# Allegro board 6089-103-RevA_73.brd (continued)
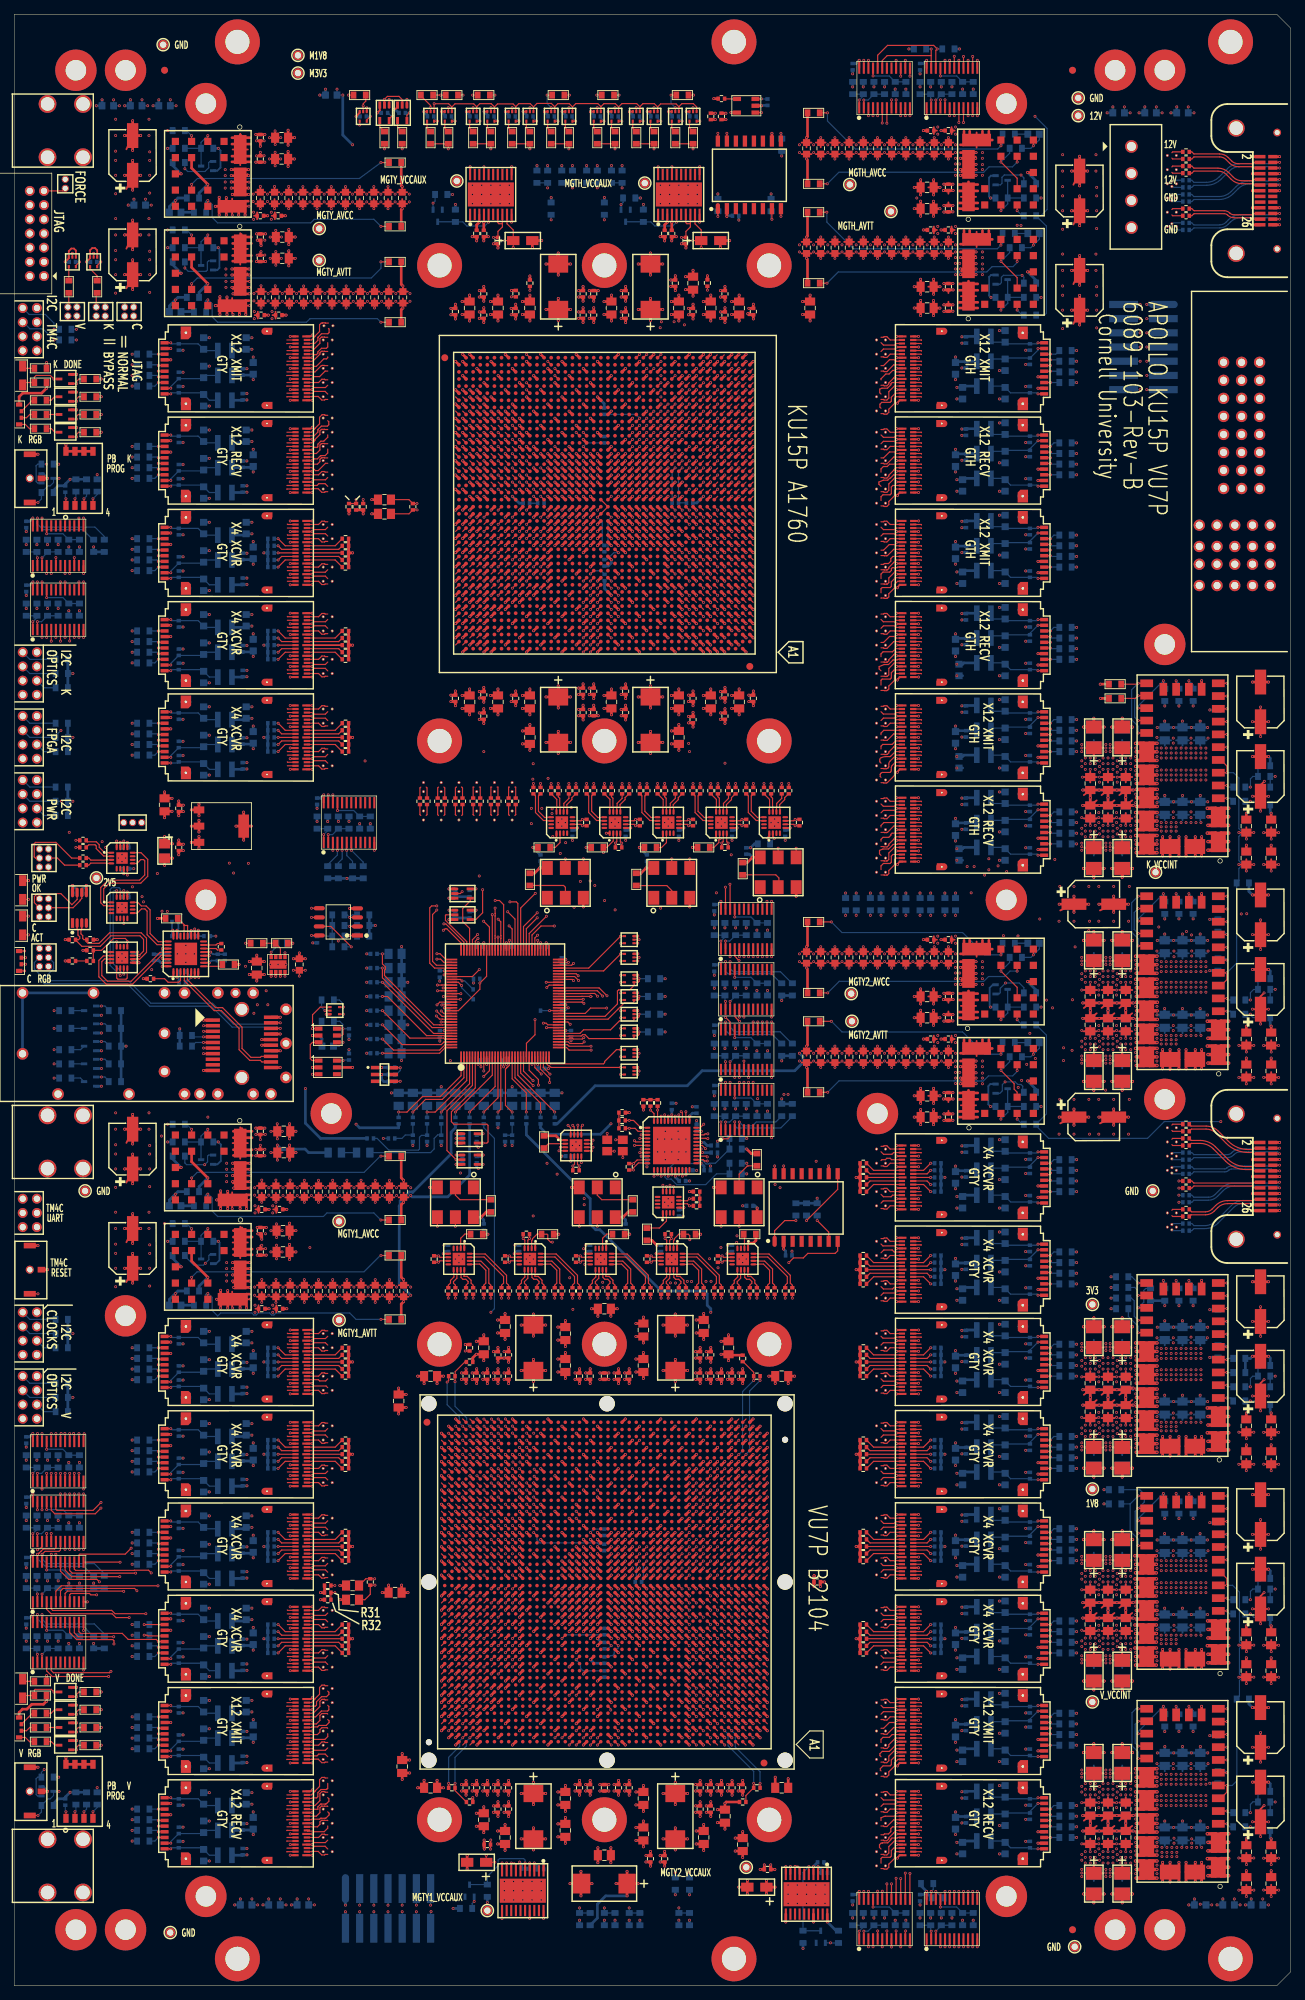
[diagram p0: board, top side]
## Routing (per net, layer and track width the routed paths; a pad name or vN(x,y) marks a point on that pad's centre or on a via; arc(x,y) is an arc through that point) (continued)
  TOP w0.381: 157.66,32.86 v1(157.65,32.86) C423.2 ; R171.1 R172.1 R173.1 ; U65.AB14 v1(91.17,209.87) ; U66.AA1 v1(106.17,53.95) ; U16.15 v1(23.54,241.3) ; v1(102.7,86.93) C290.2 v1(102.06,86.35) ; v1(33.02,255.9) 31.9,255.9 ; 31.9,255.9 v1(30.6,255.9) ; 31.9,255.9 31.9,255.05 ; C398.2 v1(152.92,122.4) ; C398.2 v1(157.08,122.4) ; C398.2 v1(155,121.27) ; C398.2 v1(155,123.53) ; P3.2 v1(174.58,118.83) ; 134.5,255.1 v1(133.4,255.1) ; 134.5,255.1 v1(135.6,255.1) ; 134.5,255.1 134.5,255.9 ; L2.1 v1(45.91,54.4) ; U66.C5 v1(102.16,35.94) ; U66.AB46 v1(60.23,54.94) ; U65.W19 v1(86.17,205.93) ; v1(86.06,27.45) C213.2 v1(86.7,26.87) ; U65.AJ1 v1(104.17,216.87) ; v1(35.34,116.95) C23.2 v1(34.06,116.95) ; v1(54.2,84.22) C84.2 v1(55.25,83.31) ; U65.AG33 v1(71.23,214.87) ; U65.G2 v1(103.17,193.93) ; U65.K35 v1(69.23,196.93) ; R188.1 R187.1 R186.1 ; R188.1 R189.1 R190.1 ; R188.1 v1(118.69,48.9) ; 32.1,101.05 v1(33.25,101.05) ; 32.1,101.05 32.1,101.9 ; 32.1,101.05 32.1,100.16 ; 32.1,101.05 v1(30.8,101.05) ; U66.AW11 v1(96.16,72.86) ; U65.AB16 v1(89.17,209.87) ; U66.AJ5 v1(102.16,62.88) ; R27.2 v1(31.7,143.9) ; U65.AD35 v1(69.23,211.87) ; U65.K30 v1(74.23,196.93) ; U65.Y18 v1(87.17,206.93) ; U66.AB14 v1(93.16,54.94) ; v1(97.56,86.35) C266.2 v1(98.2,86.93) ; U65.AG13 v1(92.17,214.87) ; U22.2 v1(22.07,204.7) ; v1(87.65,88.31) C219.2 v1(88.7,89.22) ; R183.1 R182.1 R181.1 ; R183.1 v1(118.69,61.9) ; R183.1 R184.1 R185.1 ; 153.66,157.44 v1(153.65,157.44) C394.2 ; U65.AH38 v1(66.23,215.87) ; U66.K36 v1(70.24,42.95) ; U66.BA3 v1(104.16,74.87) ; U66.AC25 v1(81.24,55.93) ; U65.AJ5 v1(100.17,216.87) ; v1(69.7,86.93) C143.2 v1(69.06,86.35) ; C411.2 v1(154.2,52.91) C412.2 ; C411.2 v1(152.94,53.99) C389.2 ; C411.2 v1(155.45,53.99) C431.2 ; U65.AB26 v1(78.23,209.87) ; U66.AB40 v1(66.23,54.94) ; U65.BA8 v1(97.17,228.87) ; R23.1 v1(12.27,36.4) ; U66.K40 v1(66.23,42.95) ; U65.AE25 v1(79.23,212.87) ; v1(96.06,86.35) C254.2 v1(96.7,86.93) ; 161.9,130.53 v1(161.9,131.9) ; 161.9,130.53 U123.27 ; 161.9,130.53 v1(161.9,129.2) ; U66.BE6 v1(101.17,78.85) ; U65.T35 v1(69.23,202.93) ; U66.BC4 v1(103.17,76.87) ; v1(38.81,107.45) C44.2 ; C44.2 v1(38.81,105.35) ; C44.2 v1(39.72,106.4) ; v1(95.06,180.95) C247.2 v1(95.7,180.37) ; U66.AD46 v1(60.23,57.87) ; v1(64.56,246.45) C111.2 v1(65.2,245.87) ; U65.V35 v1(69.23,204.93) ; U65.G5 v1(100.17,193.93) ; 164.2,160.53 v1(164.2,161.9) ; 164.2,160.53 U122.27 ; 164.2,160.53 v1(164.2,159.2) ; U65.F32 v1(72.23,192.93) ; SW4.5 SW4.7 7.29,216.21 v1(7.29,217.15) ; U65.AT11 v1(94.17,223.87) ; U125.27 v1(162.95,47.41) ; U125.27 161.9,46.02 ; U125.27 164.2,46.02 ; U125.27 v1(162.95,44.64) ; U65.G1 v1(104.17,193.93) ; U66.Y16 v1(91.16,52.93) ; U122.27 161.9,160.53 ; U122.27 v1(162.95,159.14) ; U122.27 v1(162.95,161.91) ; 161.9,160.53 v1(161.9,159.2) ; 161.9,160.53 v1(161.9,161.9) ; C395.2 v1(152.92,152.4) ; C395.2 v1(157.08,152.4) ; C395.2 v1(155,153.53) ; C395.2 v1(155,151.27) ; C427.2 v1(156.7,137.41) C428.2 ; C427.2 v1(157.75,138.49) ; C427.2 v1(155.45,138.49) C407.2 ; U66.A10 v1(97.15,33.93) ; U65.L1 v1(104.17,197.93) ; C422.2 v1(156.2,41.7) 156.2,41.67 ; C422.2 v1(154.75,42.94) 154.75,42.94 ; C422.2 v1(157.65,42.94) 157.68,42.94 ; v1(70.7,236.93) C146.2 v1(70.06,236.35) ; R65.1 v1(47.71,48.9) ; R65.1 R64.1 R63.1 ; R65.1 R66.1 R67.1 ; C6.2 v1(15.57,246.7) ; C6.2 v1(16.7,248.78) ; C6.2 v1(17.83,246.7) ; C6.2 v1(16.7,244.62) ; v1(81.06,181.95) C187.2 v1(81.7,181.37) ; U65.T14 v1(91.17,202.93) ; U65.AU35 v1(69.23,224.87) ; U66.AY24 v1(82.23,73.87) ; v1(23.84,166.35) C12.2 v1(23.2,166.93) ; U66.AA17 v1(90.17,53.95) ; U65.R9 v1(96.17,201.93) ; P2.14 v1(174.58,252.93) ; 134.5,144.3 134.5,142.64 ; 134.5,144.3 133.4,144.3 ; 134.5,144.3 v1(135.6,144.3) ; 134.5,142.64 134.5,141.9 ; 134.5,142.64 U120.2 134.53,143.12 134.15,143.5 v1(133.4,143.5) ; U65.N42 v1(62.23,199.93) ; U65.AM20 v1(85.17,219.87) ; U65.AE38 v1(66.23,212.87) ; U65.W15 v1(90.17,205.93) ; C413.2 v1(155.45,23.99) C433.2 ; C413.2 v1(154.2,22.91) C414.2 ; C413.2 v1(152.94,23.99) C391.2 ; U66.W11 v1(96.16,51.94) ; U65.U9 v1(96.17,203.93) ; R45.1 R46.1 R47.1 ; R45.1 R44.1 R43.1 ; R45.1 v1(47.71,175.9) ; v1(96.15,19.99) C259.2 v1(97.2,19.08) ; U65.P4 v1(101.17,200.93) ; U66.AK22 v1(85.16,63.87) ; 32,240.16 U16.2 v1(30.7,240.16) ; 32,240.16 32,241.05 ; 32,240.16 32,239.3 ; U66.AR1 v1(106.17,68.87) ; U65.BA27 v1(77.23,228.87) ; U66.T24 v1(82.23,48.94) ; U66.Y34 v1(72.25,52.93) ; C425.2 v1(156.7,167.41) C426.2 ; C425.2 v1(157.75,168.49) ; C425.2 v1(155.45,168.49) C405.2 ; U66.M46 v1(60.23,44.93) ; R158.2 111.84,143.29 ; U65.A22 v1(82.23,187.93) ; U66.B41 v1(65.23,34.95) ; U66.U17 v1(90.17,49.93) ; U65.E19 v1(86.17,191.93) ; U66.U19 v1(88.16,49.93) ; R192.2 v1(153.16,181.4) ; U65.R29 v1(75.23,201.93) ; v1(72.7,179.08) C153.2 v1(71.65,179.99) ; C356.2 v1(127.79,123.45) ; C356.2 v1(126.88,122.4) ; C356.2 v1(127.79,121.35) ; U65.AJ37 v1(67.23,216.87) ; U65.AF28 v1(76.23,213.87) ; U66.B12 v1(95.17,34.95) ; C414.2 v1(155.45,21.81) C434.2 ; C414.2 v1(152.96,21.81) C392.2 ; U65.AN18 v1(87.17,220.87) ; U66.AB20 v1(87.17,54.94) ; U65.AC33 v1(71.23,210.87) ; 79.9,14.4 C196.2 v1(81.45,14.4) ; 79.9,14.4 v1(78.35,14.4) ; 79.9,14.4 v1(79.9,12.67) ; 79.9,14.4 v1(79.9,16.13) ; 161.9,46.02 v1(161.9,47.4) ; 161.9,46.02 v1(161.9,44.7) ; U65.Y24 v1(80.23,206.93) ; 32,238.4 32,239.3 ; 32,238.4 v1(33.15,238.4) ; 32,238.4 v1(30.85,238.4) ; 32,239.3 v1(30.7,239.3) ; 32,239.3 v1(33.15,239.3) ; v1(56.88,27.9) C95.2 v1(57.79,28.95) ; U65.L9 v1(96.17,197.93) ; U66.AG33 v1(73.24,60.87) ; U66.AF35 v1(71.23,59.85) ; U65.C23 v1(81.23,189.93) ; U28.2 v1(22.07,51.7) ; C407.2 v1(152.94,138.49) C385.2 ; C407.2 v1(154.2,137.41) C408.2 ; U65.AA33 v1(71.23,207.93) ; U66.AV37 v1(69.25,71.87) ; 133.4,244.3 134.5,244.3 ; 134.5,244.3 134.5,242.64 ; 134.5,244.3 v1(135.6,244.3) ; v1(99.55,244.93) C261.2 v1(100.86,245.9) ; 153.68,92.86 v1(153.65,92.86) C399.2 ; U106.4 v1(144.33,200.7) ; 31.9,252.4 31.9,253.3 ; 31.9,252.4 v1(30.75,252.4) ; 31.9,252.4 v1(33.05,252.4) ; 31.9,253.3 v1(30.6,253.3) ; 31.9,253.3 v1(33.05,253.3) ; 31.9,253.3 31.9,254.16 ; v1(62.2,180.37) C100.2 v1(61.56,180.95) ; U66.AL43 v1(63.23,64.86) ; v1(91.7,16.87) C231.2 v1(91.06,17.45) ; U104.2 v1(144.33,225.1) ; C353.2 v1(127.79,138.35) ; C353.2 v1(127.79,140.45) ; C353.2 v1(126.88,139.4) ; 156.2,94.12 v1(156.2,94.1) C419.2 ; U66.U33 v1(73.24,49.93) ; U65.K31 v1(73.23,196.93) ; v1(66.2,91.72) C122.2 v1(65.15,90.81) ; U66.W29 v1(77.22,51.94) ; U65.P40 v1(64.23,200.93) ; U66.N44 v1(62.24,45.95) ; U66.AE5 v1(102.16,58.86) ; U66.G2 v1(105.15,39.93) ; U88.3 v1(98.58,112.5) ; U66.R1 v1(106.17,47.93) ; C224.2 v1(89.7,176.75) ; C224.2 v1(87.97,175.2) ; C224.2 v1(91.43,175.2) ; C224.2 v1(89.7,173.65) ; U65.AD18 v1(87.17,211.87) ; U111.2 v1(144.33,98.1) ; U66.P12 v1(95.17,46.94) ; U65.AU5 v1(100.17,224.87) ; v1(95.7,236.93) C246.2 v1(95.06,236.35) ; R106.2 v1(76.77,105.9) ; U65.A27 v1(77.23,187.93) ; U66.AA2 v1(105.15,53.95) ; U66.AF14 v1(93.16,59.85) ; U65.AY34 v1(70.23,227.87) ; U66.M4 v1(103.17,44.93) ; v1(135.6,241.1) 134.5,241.1 ; 134.5,241.1 v1(133.4,241.1) ; 134.5,241.1 134.5,241.9 ; v1(176.83,143.2) C462.2 v1(174.57,143.2) ; U65.AU40 v1(64.23,224.87) ; C397.2 v1(153.65,127.44) 153.67,127.44 ; C397.2 v1(150.75,127.44) 150.75,127.44 ; C397.2 v1(152.2,126.2) 152.2,126.16 ; v1(80.2,181.37) C179.2 v1(79.56,181.95) ; U66.E19 v1(88.16,37.94) ; U65.V29 v1(75.23,204.93) ; v1(79.7,26.87) C176.2 v1(79.06,27.45) ; R17.1 v1(12.27,218.9) ; C377.2 v1(130.67,133.4) ; U66.AJ42 v1(64.24,62.88) ; v1(72.7,174.08) C154.2 v1(71.65,174.99) ; U66.F39 v1(67.24,38.93) ; C429.2 v1(155.45,83.99) C409.2 ; C429.2 v1(156.7,82.92) C430.2 ; C429.2 157.22,83.99 157.44,84.22 v1(157.75,84.22) ; v1(133.4,127.1) 134.5,127.1 ; 134.5,127.1 134.5,127.9 ; 134.5,127.1 v1(135.6,127.1) ; SW1.1 v1(3.35,215.8) ; U65.AT22 v1(82.23,223.87) ; 153.67,42.94 v1(153.65,42.94) C402.2 ; U66.N10 v1(97.15,45.95) ; U65.AD26 v1(78.23,211.87) ; 156.2,147.31 v1(154.75,147.31) 154.71,147.31 ; 156.2,147.31 C417.2 v1(156.2,148.55) 156.2,148.56 ; 156.2,147.31 v1(157.65,147.31) ; U65.AR42 v1(62.23,222.87) ; U66.W44 v1(62.24,51.94) ; C355.2 v1(127.79,126.45) ; C355.2 v1(127.79,124.35) ; C355.2 v1(126.88,125.4) ; U65.U15 v1(90.17,203.93) ; v1(103.45,104.61) 103.49,104.64 104.19,104.64 104.56,105.02 R148.1 ; C45.2 v1(39.72,103.4) ; C45.2 v1(38.81,104.45) ; C45.2 v1(38.81,102.35) ; U66.Y5 v1(102.16,52.93) ; C406.2 v1(155.45,166.31) C426.2 ; C406.2 v1(152.96,166.31) C384.2 ; C406.2 v1(154.2,167.41) C405.2 ; U66.V18 v1(89.18,50.92) ; U66.AU33 v1(73.24,70.85) ; U66.Y45 v1(61.25,52.93) ; U65.AD7 v1(98.17,211.87) ; U66.H12 v1(95.17,40.94) ; U65.L17 v1(88.17,197.93) ; v1(34.06,256.95) C17.2 v1(35.34,256.95) ; v1(72.7,238.22) C152.2 v1(71.65,237.31) ; U66.AR7 v1(100.17,68.87) ; U66.N12 v1(95.17,45.95) ; U65.AT12 v1(93.17,223.87) ; U65.R5 v1(100.17,201.93) ; C385.2 v1(151.7,137.4) C386.2 ; C385.2 v1(150.65,138.49) ; U65.AN28 v1(76.23,220.87) ; U65.AE33 v1(71.23,212.87) ; C434.2 v1(156.7,22.91) C433.2 ; C434.2 v1(157.75,21.81) ; U113.4 v1(144.33,73.7) ; U114.4 v1(144.33,60.7) ; v1(91.06,246.45) C229.2 v1(91.7,245.87) ; v1(176.83,39.2) C467.2 v1(174.57,39.2) ; U65.AM3 v1(102.17,219.87) ; U65.AP4 v1(101.17,221.87) ; U65.V18 v1(87.17,204.93) ; U65.T28 v1(76.23,202.93) ; v1(99.7,26.87) C275.2 v1(99.06,27.45) ; v1(38.71,247.45) C42.2 ; C42.2 v1(38.71,245.35) ; C42.2 v1(39.62,246.4) ; U66.AL5 v1(102.16,64.86) ; v1(81.2,86.93) C183.2 v1(80.56,86.35) ; U13.10 v1(26.69,128.98) ; U99.20 v1(114.62,9) ; C157.2 v1(73.2,22.25) ; C157.2 v1(73.2,19.15) ; C157.2 v1(74.93,20.7) ; C157.2 v1(71.47,20.7) ; U65.P21 v1(84.17,200.93) ; U66.AT37 v1(69.25,69.86) ; U65.AD16 v1(89.17,211.87) ; U66.G1 v1(106.17,39.93) ; U66.U35 v1(71.23,49.93) ; U66.L35 v1(71.23,43.94) ; U65.AB18 v1(87.17,209.87) ; U65.AE17 v1(88.17,212.87) ; U65.AW2 v1(103.17,226.87) ; U65.U5 v1(100.17,203.93) ; U66.M42 v1(64.24,44.93) ; v1(93.7,179.08) C239.2 v1(92.65,179.99) ; U66.BD6 v1(101.17,77.86) ; v1(84.11,19.45) C195.2 v1(84.11,17.35) ; C402.2 v1(150.75,42.94) 150.73,42.94 ; C402.2 v1(152.2,41.7) 152.2,41.67 ; U66.AB4 v1(103.17,54.94) ; U65.N5 v1(100.17,199.93) ; v1(132.34,249.95) C368.2 131.68,249.93 v1(131.06,249.93) ; U66.B5 v1(102.16,34.95) ; U65.V11 v1(94.17,204.93) ; U99.11 v1(108.78,9) ; U66.AJ13 v1(94.16,62.88) ; U65.BA5 v1(100.17,228.87) ; R140.2 v1(95.63,160.4) ; U66.AA5 v1(102.16,53.95) ; U66.AH20 v1(87.17,61.86) ; U65.B4 v1(101.17,188.93) ; U66.E5 v1(102.16,37.94) ; C271.2 v1(98.62,265.9) ; U66.AH41 v1(65.23,61.86) ; v1(69.7,89.93) C142.2 v1(69.06,89.35) ; U65.A2 v1(103.17,187.93) ; 97.7,65.41 v1(98.17,65.87) ; U66.T5 v1(102.16,48.94) ; v1(99.56,181.45) C278.2 v1(100.2,180.87) ; U65.AE9 v1(96.17,212.87) ; U66.BC35 v1(71.23,76.87) ; 154.72,72.94 v1(154.75,72.94) C420.2 ; v1(133.4,129.5) 134.15,129.5 134.53,129.12 U121.2 134.5,128.64 ; C408.2 v1(152.96,136.31) C386.2 ; C408.2 v1(155.45,136.31) C428.2 ; U65.T20 v1(85.17,202.93) ; U65.AW31 v1(73.23,226.87) ; U65.AD22 v1(82.23,211.87) ; U65.AB24 v1(80.23,209.87) ; U65.AD39 v1(65.23,211.87) ; C426.2 v1(157.75,166.31) ; U66.AW43 v1(63.23,72.86) ; U66.AF12 v1(95.17,59.85) ; U65.AU41 v1(63.23,224.87) ; U17.15 v1(23.54,115.3) ; U111.4 v1(144.33,99.7) ; v1(85.56,178.95) C209.2 v1(86.2,178.37) ; U66.AJ6 v1(101.17,62.88) ; U66.G39 v1(67.24,39.93) ; U65.AD3 v1(102.17,211.87) ; U65.AH4 v1(101.17,215.87) ; U65.D26 v1(78.23,190.93) ; v1(100.2,236.43) C277.2 v1(99.56,235.85) ; v1(33.25,112.4) 32.1,112.4 ; 32.1,112.4 v1(30.95,112.4) ; 32.1,112.4 32.1,113.3 ; v1(85.2,86.93) C202.2 v1(84.56,86.35) ; C299.2 v1(102.15,13.9) ; C299.2 v1(103.35,12.93) ; C299.2 v1(103.35,14.87) ; U65.AM40 v1(64.23,219.87) ; 150.74,157.44 v1(150.75,157.44) C394.2 ; U66.AE43 v1(63.23,58.86) ; U65.AD11 v1(94.17,211.87) ; 38.81,120.4 C46.2 v1(39.72,120.4) ; 38.81,120.4 v1(38.81,119.35) ; 38.81,120.4 v1(38.81,121.45) ; 32,241.9 32,241.05 ; 32,241.9 v1(30.7,241.9) ; 32,241.9 v1(33.12,241.9) ; 32,241.05 v1(33.15,241.05) ; 32,241.05 v1(30.7,241.05) ; U66.AP32 v1(74.23,67.86) ; U66.J12 v1(95.17,41.93) ; v1(176.83,183.7) C459.2 v1(174.57,183.7) ; U65.AR1 v1(104.17,222.87) ; U66.AA23 v1(84.17,53.95) ; v1(92.65,235.49) C238.2 v1(93.7,234.58) ; U66.BB39 v1(67.24,75.86) ; U65.V3 v1(102.17,204.93) ; 164.2,16.02 v1(164.2,14.7) ; 164.2,16.02 U126.27 ; 164.2,16.02 v1(164.2,17.4) ; 133.4,130.3 134.5,130.3 ; 134.5,130.3 v1(135.6,130.3) ; 134.5,130.3 134.5,128.64 ; v1(35.34,260.85) C16.2 v1(34.06,260.85) ; U65.AF35 v1(69.23,213.87) ; 32.1,101.9 v1(33.22,101.9) ; 32.1,101.9 v1(30.8,101.9) ; U66.AY14 v1(93.16,73.87) ; U126.13 v1(167.4,39.38) ; v1(176.83,28.7) C468.2 v1(174.57,28.7) ; U65.L5 v1(100.17,197.93) ; 156.2,34.11 v1(156.2,34.1) C423.2 ; 164.2,46.02 v1(164.2,44.7) ; 164.2,46.02 v1(164.2,47.4) ; U65.A32 v1(72.23,187.93) ; U66.T9 v1(98.17,48.94) ; U65.L2 v1(103.17,197.93) ; U65.U37 v1(67.23,203.93) ; U66.K3 v1(104.16,42.95) ; C383.2 v1(152.94,168.49) C405.2 ; C383.2 v1(150.65,168.49) ; C383.2 v1(151.7,167.4) C384.2 ; C423.2 v1(154.75,32.86) 154.73,32.86 ; U65.K7 v1(98.17,196.93) ; C394.2 v1(152.2,156.2) 152.2,156.16 ; v1(97.15,179.99) C263.2 v1(98.2,179.08) ; v1(65.15,22.49) C123.2 v1(66.2,21.58) ; U66.AH46 v1(60.23,61.86) ; U65.AJ33 v1(71.23,216.87) ; 32.1,100.16 U18.2 v1(30.8,100.16) ; 32.1,100.16 32.1,99.3 ; U66.AD35 v1(71.23,57.87) ; U65.AK11 v1(94.17,217.87) ; U66.P5 v1(102.16,46.94) ; U19.4 v1(32.35,161.43) ; U19.4 v1(31.27,163.4) ; U19.4 v1(33.43,163.4) ; U19.4 v1(32.35,165.37) ; v1(82.56,27.45) C194.2 v1(83.83,27.45) ; U65.AV23 v1(81.23,225.87) ; U65.AC19 v1(86.17,210.87) ; U65.J41 v1(63.23,195.93) ; U65.AM30 v1(74.23,219.87) ; 161.9,76.03 v1(161.9,74.7) ; 161.9,76.03 U124.27 ; 161.9,76.03 v1(161.9,77.4) ; v1(89.06,17.45) C226.2 v1(89.7,16.87) ; U66.K46 v1(60.23,42.95) ; C477.2 v1(177.2,20.72) ; U66.AD28 v1(78.24,57.87) ; U66.M5 v1(102.16,44.93) ; U65.BA1 v1(104.17,228.87) ; U65.AG17 v1(88.17,214.87) ; U65.AF22 v1(82.23,213.87) ; U66.AL7 v1(100.17,64.86) ; U66.C25 v1(81.24,35.94) ; v1(35.53,102.95) C25.2 v1(34.27,102.95) ; C390.2 v1(151.7,52.9) C389.2 ; C390.2 v1(152.96,51.81) C412.2 ; C390.2 v1(150.65,51.81) ; U66.AU35 v1(71.23,70.85) ; U66.AK8 v1(99.16,63.87) ; U66.G44 v1(62.24,39.93) ; U66.AE27 v1(79.23,58.86) ; U65.AR9 v1(96.17,222.87) ; v1(83.83,86.35) C193.2 v1(82.56,86.35) ; U66.AF16 v1(91.16,59.85) ; U65.AT32 v1(72.23,223.87) ; U66.AC29 v1(77.22,55.93) ; U66.R10 v1(97.15,47.93) ; C415.2 v1(156.2,178.6) 156.2,178.62 ; C415.2 v1(154.75,177.36) 154.71,177.36 ; C415.2 v1(157.65,177.36) ; v1(62.2,236.93) C99.2 v1(61.56,236.35) ; U65.F3 v1(102.17,192.93) ; U66.AG39 v1(67.24,60.87) ; 134.5,241.9 v1(135.6,241.9) ; 134.5,241.9 134.5,242.64 ; 134.5,241.9 v1(133.4,241.9) ; v1(95.7,177.37) C248.2 v1(95.06,177.95) ; U66.AH26 v1(80.25,61.86) ; v1(66.06,27.45) C125.2 v1(66.7,26.87) ; 150.74,12.94 v1(150.75,12.94) C404.2 ; C399.2 v1(150.75,92.86) 150.73,92.86 ; C399.2 v1(152.2,94.1) 152.2,94.12 ; U66.BB3 v1(104.16,75.86) ; 134.5,141.9 v1(135.6,141.9) ; 134.5,141.9 134.5,141.1 ; 134.5,141.9 v1(133.4,141.9) ; U65.AD14 v1(91.17,211.87) ; U65.AE5 v1(100.17,212.87) ; U65.AA27 v1(77.23,207.93) ; U66.H42 v1(64.24,40.94) ; U65.AP35 v1(69.23,221.87) ; v1(35.44,246.85) C20.2 v1(34.16,246.85) ; C156.2 73.2,94.61 73.19,94.61 v1(73.19,94.65) ; C156.2 v1(74.93,93.1) ; C156.2 v1(73.2,91.55) ; C156.2 v1(71.47,93.1) ; U66.AJ38 v1(68.23,62.88) ; U65.AG29 v1(75.23,214.87) ; U66.AT46 v1(60.23,69.86) ; U66.P46 v1(60.23,46.94) ; 164.2,130.53 v1(164.2,129.2) ; 164.2,130.53 U123.27 ; 164.2,130.53 v1(164.2,131.9) ; U66.BD44 v1(62.24,77.86) ; U43.3 v1(58.58,112.5) ; U65.AL13 v1(92.17,218.87) ; C164.2 v1(78.43,175.2) ; C164.2 v1(74.97,175.2) ; C164.2 v1(76.7,176.75) ; C164.2 v1(76.7,173.65) ; C386.2 v1(150.65,136.31) ; U66.Y24 v1(82.23,52.93) ; U65.C6 v1(99.17,189.93) ; U65.J42 v1(62.23,195.93) ; U65.C41 v1(63.23,189.93) ; U66.AC35 v1(71.23,55.93) ; v1(65.2,86.93) C112.2 v1(64.56,86.35) ; U65.L42 v1(62.23,197.93) ; U65.V22 v1(82.23,204.93) ; R38.1 R39.1 R40.1 ; U66.BC25 v1(81.24,76.87) ; U66.AU23 v1(84.17,70.85) ; SW1.3 v1(4.7,212.4) ; U66.M18 v1(89.18,44.93) ; 157.66,72.94 v1(157.65,72.94) C420.2 ; U66.AJ2 v1(105.15,62.88) ; C250.2 v1(95.19,111.9) ; U65.AR19 v1(86.17,222.87) ; U124.27 164.2,76.03 ; U124.27 v1(162.95,77.41) ; U124.27 v1(162.95,74.64) ; 164.2,76.03 v1(164.2,74.7) ; 164.2,76.03 v1(164.2,77.4) ; v1(110.02,85.9) C306.2 v1(109.11,84.87) ; U66.AF22 v1(85.16,59.85) ; U65.AW6 v1(99.17,226.87) ; U65.AK7 v1(98.17,217.87) ; U65.D4 v1(101.17,190.93) ; U66.G7 v1(100.17,39.93) ; C419.2 v1(157.65,92.86) 157.66,92.86 ; C419.2 v1(154.75,92.86) 154.72,92.86 ; U65.AM13 v1(92.17,219.87) ; U65.H3 v1(102.17,194.93) ; U66.AW37 v1(69.25,72.86) ; U65.AU11 v1(94.17,224.87) ; U66.AG25 v1(81.24,60.87) ; U65.AU15 v1(90.17,224.87) ; C237.2 v1(91.47,20.7) ; C237.2 v1(93.2,22.25) ; C237.2 v1(93.2,19.15) ; C237.2 v1(94.93,20.7) ; C410.2 v1(154.2,82.91) C409.2 ; C410.2 v1(155.45,81.81) C430.2 ; C410.2 v1(152.96,81.81) C388.2 ; U65.R42 v1(62.23,201.93) ; v1(88.7,94.22) C218.2 v1(87.65,93.31) ; 32.1,113.3 32.1,114.16 ; 32.1,113.3 v1(30.8,113.3) ; 32.1,113.3 v1(33.25,113.3) ; 32.1,114.16 32.1,115.05 ; 32.1,114.16 U17.2 v1(30.8,114.16) ; U66.BB41 v1(65.23,75.86) ; U66.J10 v1(97.15,41.93) ; U65.V24 v1(80.23,204.93) ; U65.P3 v1(102.17,200.93) ; U65.AA19 v1(86.17,207.93) ; U66.AE6 v1(101.17,58.86) ; v1(102.7,26.87) C291.2 v1(102.06,27.45) ; U65.AC41 v1(63.23,210.87) ; U66.BF44 v1(62.24,79.87) ; U66.AU1 v1(106.17,70.85) ; U66.BB28 v1(78.24,75.86) ; v1(81.06,178.95) C188.2 v1(82.33,178.95) ; U66.E12 v1(95.17,37.94) ; U66.L11 v1(96.16,43.94) ; C236.2 93.2,94.61 93.19,94.61 v1(93.19,94.65) ; C236.2 v1(94.93,93.1) ; C236.2 v1(91.47,93.1) ; C236.2 v1(93.2,91.55) ; U66.AP12 v1(95.17,67.86) ; U12.9 v1(17.6,144.15) ; U66.AD32 v1(74.23,57.87) ; U66.AL11 v1(96.16,64.86) ; U66.V22 v1(85.16,50.92) ; U66.V30 v1(76.23,50.92) ; U65.U42 v1(62.23,203.93) ; U65.M4 v1(101.17,198.93) ; C403.2 v1(150.75,32.86) 150.72,32.86 ; C403.2 v1(153.65,32.86) 153.67,32.86 ; C403.2 v1(152.2,34.1) 152.2,34.12 ; v1(80.2,178.37) C180.2 v1(79.56,178.95) ; C43.2 v1(39.62,243.4) ; C43.2 v1(38.71,242.35) ; C43.2 v1(38.71,244.45) ; U66.AY9 v1(98.17,73.87) ; 150.74,177.36 v1(150.75,177.36) C393.2 ; R173.1 R174.1 R175.1 ; R173.1 v1(118.69,87.9) ; U65.AL5 v1(100.17,218.87) ; P2.20 v1(174.58,250.53) ; U66.BA38 v1(68.23,74.87) ; U65.W42 v1(62.23,205.93) ; U66.D4 v1(103.17,36.93) ; U66.BC41 v1(65.23,76.87) ; U66.T18 v1(89.18,48.94) ; SW5.5 SW5.7 7.29,31.21 v1(7.29,32.15) ; C381.2 v1(150.2,257.78) ; C381.2 v1(150.2,253.62) ; C381.2 v1(151.33,255.7) ; C381.2 v1(149.07,255.7) ; U65.L27 v1(77.23,197.93) ; U65.AW21 v1(84.17,226.87) ; v1(161.1,52.88) 161.09,52.88 U125.24 ; U65.AB35 v1(69.23,209.87) ; U66.U10 v1(97.15,49.93) ; U65.AA40 v1(64.23,207.93) ; C354.2 v1(127.79,137.45) ; C354.2 v1(127.79,135.35) ; C354.2 v1(126.88,136.4) ; U66.AN25 v1(81.24,66.86) ; U66.AE42 v1(64.24,58.86) ; U65.AW11 v1(94.17,226.87) ; U65.N1 v1(104.17,199.93) ; U65.P29 v1(75.23,200.93) ; U66.V4 v1(103.17,50.92) ; U66.AW12 v1(95.17,72.86) ; 175.64,109.22 v1(174.58,109.22) ; U66.AV40 v1(66.23,71.87) ; U126.27 161.9,16.02 ; U126.27 v1(162.95,14.64) ; U126.27 v1(162.95,17.41) ; U66.R29 v1(77.22,47.93) ; U65.A17 v1(88.17,187.93) ; U66.U27 v1(79.23,49.93) ; U66.AR12 v1(95.17,68.87) ; v1(176.83,99.2) C463.2 v1(174.57,99.2) ; U65.C9 v1(96.17,189.93) ; U73.3 v1(87.91,137.4) ; R22.1 v1(12.27,38.9) ; v1(68.15,93.81) C138.2 v1(69.2,94.72) ; U65.M29 v1(75.23,198.93) ; U66.BD32 v1(74.23,77.86) ; U65.K4 v1(101.17,196.93) ; C428.2 v1(157.75,136.31) ; U66.J37 v1(69.25,41.93) ; U66.T14 v1(93.16,48.94) ; U66.B45 v1(61.25,34.95) ; U65.A41 v1(63.23,187.93) ; U66.BB18 v1(89.18,75.86) ; U66.R43 v1(63.23,47.93) ; U66.AT9 v1(98.17,69.86) ; C389.2 v1(150.65,53.99) ; U65.AN42 v1(62.23,220.87) ; 153.65,62.86 v1(153.65,62.86) C401.2 ; 32.1,115.05 v1(33.25,115.05) ; 32.1,115.05 v1(30.8,115.05) ; 32.1,115.05 32.1,115.9 ; R170.1 R169.1 R168.1 ; U66.T46 v1(60.23,48.94) ; U65.AG41 v1(63.23,214.87) ; U66.V26 v1(80.25,50.92) ; U66.AC1 v1(106.17,55.93) ; 32.1,98.4 v1(30.95,98.4) ; 32.1,98.4 v1(33.25,98.4) ; 32.1,98.4 32.1,99.3 ; U65.AE37 v1(67.23,212.87) 